# KiCad board PMK_Keyboard_02.kicad_pro.kicad_pcb (continued)
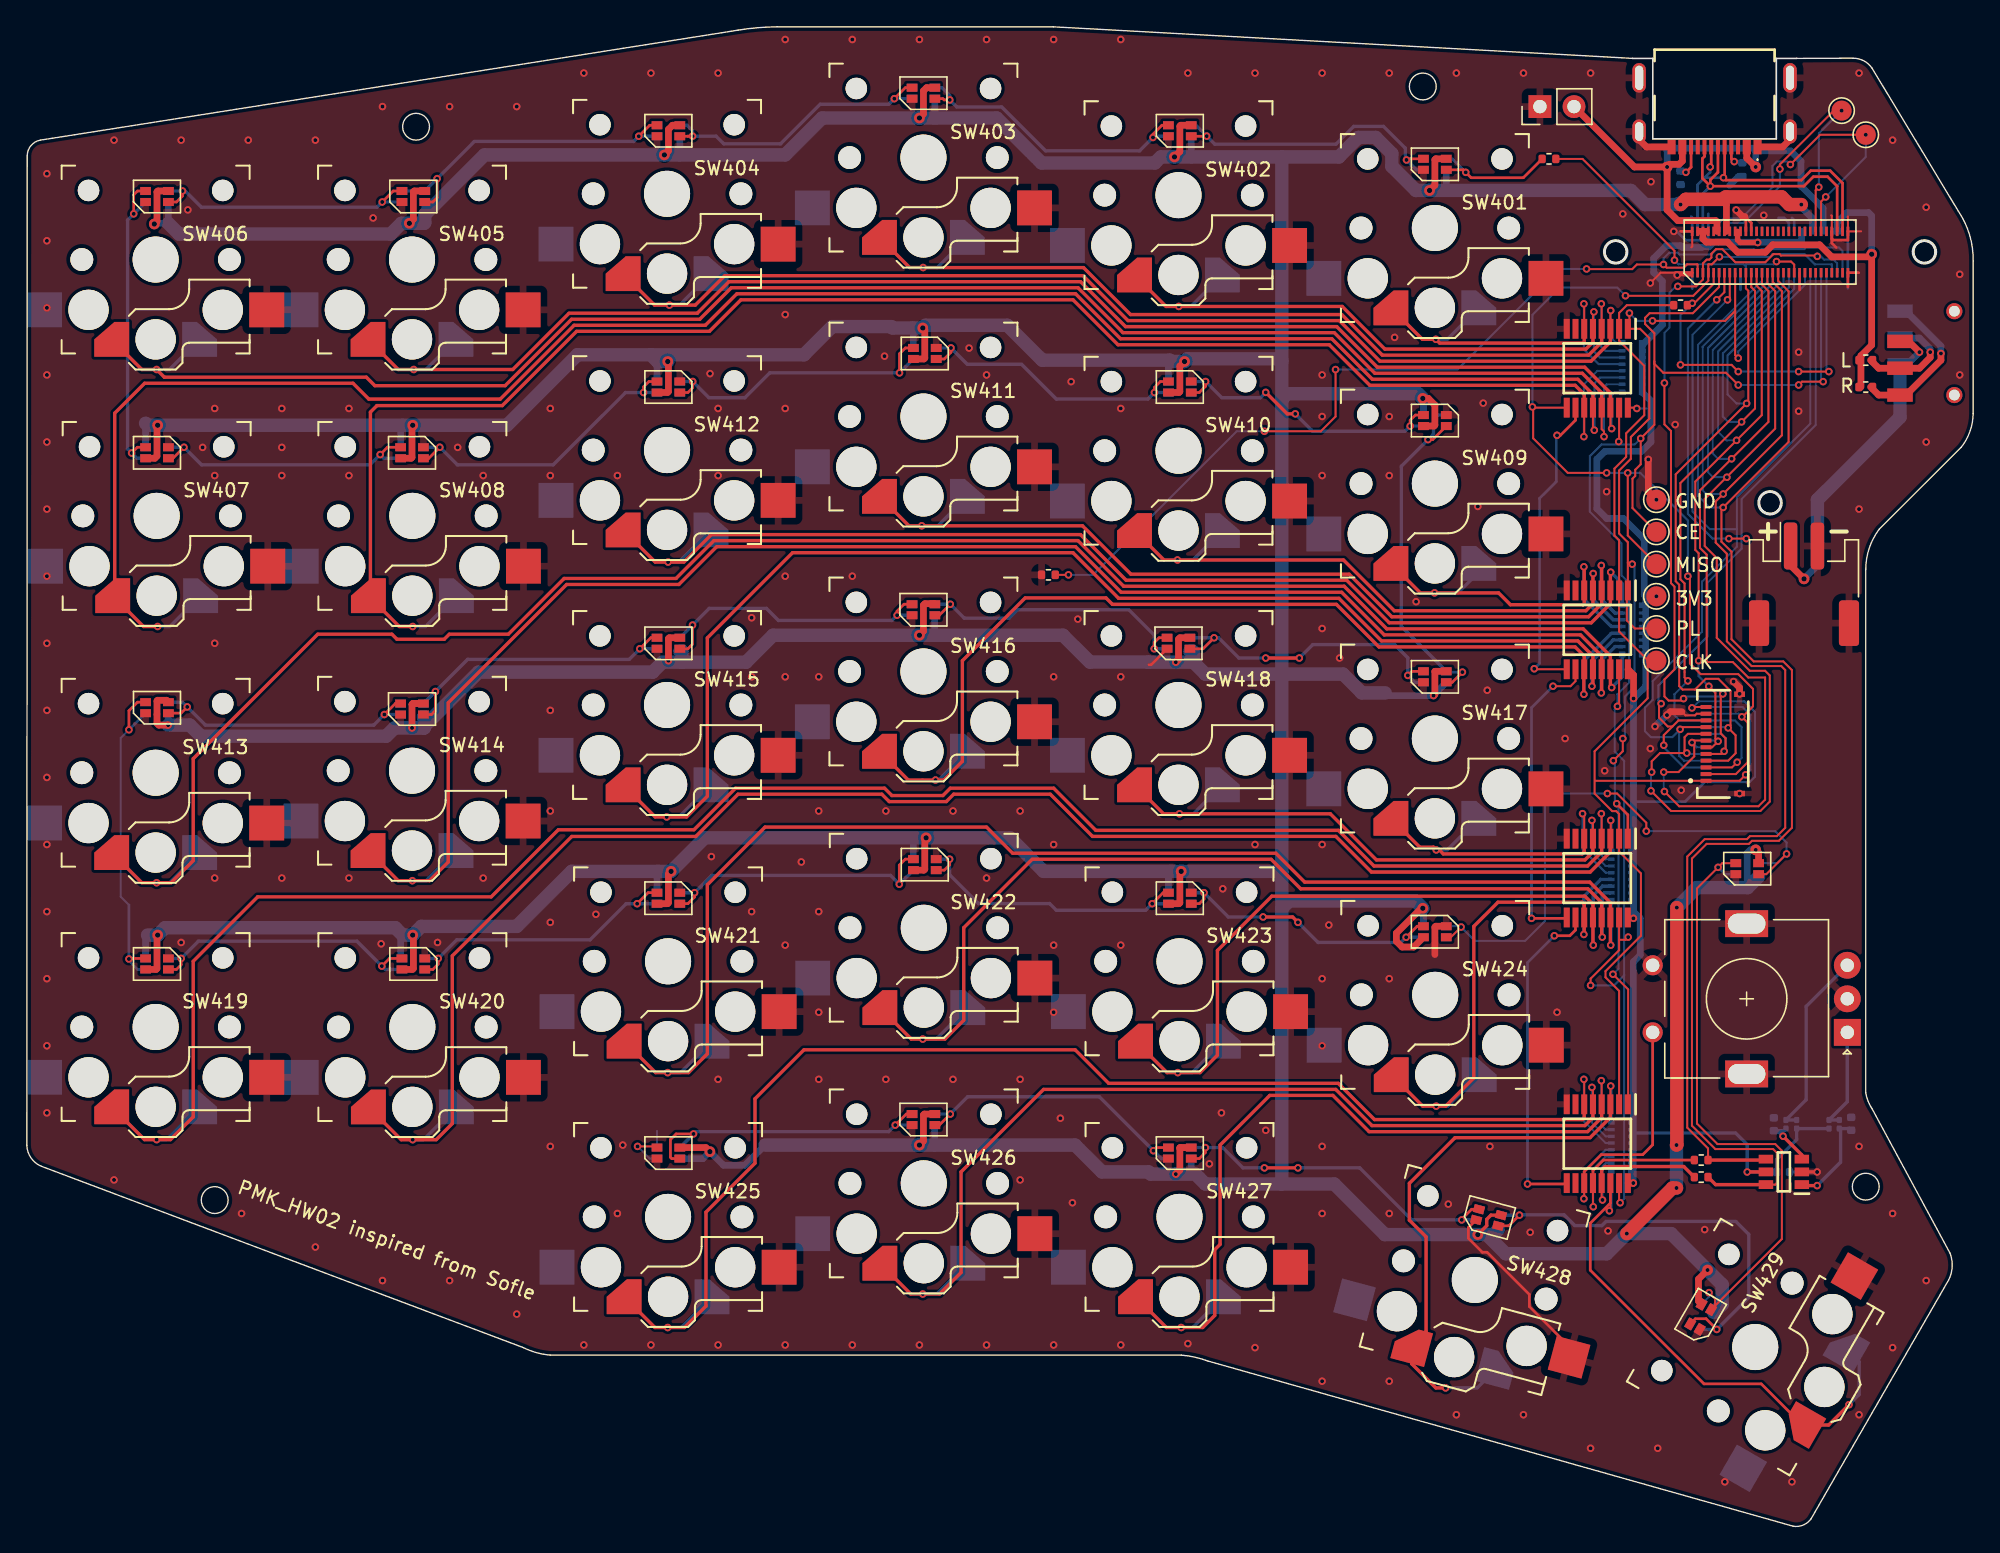
[diagram p0: board, top side]
## Nets
+3V3: C403.1 J201.18 J201.20 J202.18 J202.20 J304.12 J305.12 R401.2 R403.2 RN401.1 RN401.2 RN401.3 RN401.4 RN401.5 RN401.6 RN401.7 RN401.8 RN402.1 RN402.2 RN402.3 RN402.4 RN402.5 RN402.6 RN402.7 RN402.8 RN403.1 RN403.2 RN403.3 RN403.4 RN403.5 RN403.6 RN403.7 RN403.8 RN404.1 RN404.2 RN404.3 RN404.4 RN404.5 RN404.6 RN404.7 RN404.8 TP201.1 U401.16 U402.16 U403.16 U404.16 U405.5
/VBAT: J201.4 J201.6 J201.8 J202.4 J202.6 J202.8 R305.2 R306.2
GND: C401.2 C402.2 C403.2 D501.1 D502.1 D503.1 D504.1 D505.1 D506.1 D507.1 D508.1 D509.1 D510.1 D511.1 D512.1 D513.1 D514.1 D515.1 D516.1 D517.1 D518.1 D519.1 D520.1 D521.1 D522.1 D523.1 D524.1 D525.1 D526.1 D527.1 D528.1 D529.1 D530.1 J201.1 J201.2 J201.22 J201.24 J201.41 J201.54 J201.59 J201.60 J202.1 J202.2 J202.22 J202.24 J202.41 J202.54 J202.59 J202.60 J301.A1 J301.A12 J301.MH1 J301.MH2 J301.MH3 J301.MH4 J302.1 J303.2 J303.MP J304.11 J304.S1 J304.S2 J305.11 J305.S1 J305.S2 R303.2 R304.2 SW401.2 SW402.2 SW403.2 SW404.2 SW405.2 SW406.2 SW407.2 SW408.2 SW409.2 SW410.2 SW411.2 SW412.2 SW413.2 SW414.2 SW415.2 SW416.2 SW417.2 SW418.2 SW419.2 SW420.2 SW421.2 SW422.2 SW423.2 SW424.2 SW425.2 SW426.2 SW427.2 SW428.2 SW429.2 SW430.C SW430.MP SW430.S1 TH201.2 TH202.2 TP208.1 U401.8 U402.8 U403.8 U404.8 U405.2
VBUS: J201.10 J201.12 J202.10 J202.12 J301.A4 J301.A9 J302.2
VDD: D501.2 D502.2 D503.2 D504.2 D505.2 D506.2 D507.2 D508.2 D509.2 D510.2 D511.2 D512.2 D513.2 D514.2 D515.2 D516.2 D517.2 D518.2 D519.2 D520.2 D521.2 D522.2 D523.2 D524.2 D525.2 D526.2 D527.2 D528.2 D529.2 D530.2 J201.14 J201.16 J202.14 J202.16
/200- PSoM/BATTERY_TEMP: J201.3 J202.3 TH201.1 TH202.1
/200- PSoM/D+: J201.56 J202.56 J301.A6 J301.B6
/200- PSoM/D-: J201.58 J202.58 J301.A7 J301.B7
/200- PSoM/DB_A: J201.33 J202.33 R405.1 U405.6
/200- PSoM/DB_B: J201.31 J202.31 R406.1 U405.4
/200- PSoM/DR: J201.21 J202.21 J304.4 J305.4
/200- PSoM/GP_CE: J201.23 J202.23 J304.3 J305.3
/200- PSoM/GPIO1: J201.25 J202.25 J304.6 J305.6
/200- PSoM/GPIO2: J201.27 J202.27 J304.7 J305.7
/200- PSoM/GPIO3: J201.29 J202.29 J304.8 J305.8
/200- PSoM/LED_MOSI: D501.3 R201.2
/200- PSoM/LED_MOSI_ESP: J201.39 J202.39 R201.1
/200- PSoM/PL: J201.17 J202.17 TP202.1 U401.1 U402.1 U403.1 U404.1
/200- PSoM/RX: J201.48 J202.48 TP206.1
/200- PSoM/SCL: J201.15 J202.15 J304.9 J305.9
/200- PSoM/SDA: J201.13 J202.13 J304.10 J305.10
/200- PSoM/SPI_CLK: J304.1 J305.1 R202.2 TP204.1 U401.2 U402.2 U403.2 U404.2
/200- PSoM/SPI_CLK_ESP: J201.9 J202.9 R202.1
/200- PSoM/SPI_MISO: J201.7 J202.7 J304.2 J305.2 TP205.1 U401.9
/200- PSoM/SPI_MOSI: J201.5 J202.5 J304.5 J305.5
/200- PSoM/SR_CE: J201.11 J202.11 TP203.1 U401.15 U402.15 U403.15 U404.15
/200- PSoM/TX: J201.50 J202.50 TP207.1
/300- Connectors/CC1: J301.A5 R304.1
/300- Connectors/CC2: J301.B5 R303.1
/400- Shift Register - Switch/1: RN401.13 SW401.1 U401.6
/400- Shift Register - Switch/1-2: U401.10 U402.9
/400- Shift Register - Switch/2: RN401.14 SW402.1 U401.5
/400- Shift Register - Switch/2-3: U402.10 U403.9
/400- Shift Register - Switch/3: RN401.15 SW403.1 U401.4
/400- Shift Register - Switch/3-4: U403.10 U404.9
/400- Shift Register - Switch/4: RN401.16 SW404.1 U401.3
/400- Shift Register - Switch/5: RN401.9 SW405.1 U401.14
/400- Shift Register - Switch/6: RN401.10 SW406.1 U401.13
/400- Shift Register - Switch/7: RN401.11 SW407.1 U401.12
/400- Shift Register - Switch/8: RN401.12 SW408.1 U401.11
/400- Shift Register - Switch/9: RN402.13 SW409.1 U402.6
/400- Shift Register - Switch/10: RN402.14 SW410.1 U402.5
/400- Shift Register - Switch/11: RN402.15 SW411.1 U402.4
/400- Shift Register - Switch/12: RN402.16 SW412.1 U402.3
/400- Shift Register - Switch/13: RN402.9 SW413.1 U402.14
/400- Shift Register - Switch/14: RN402.10 SW414.1 U402.13
/400- Shift Register - Switch/15: RN402.11 SW415.1 U402.12
/400- Shift Register - Switch/16: RN402.12 SW416.1 U402.11
/400- Shift Register - Switch/17: RN403.13 SW417.1 U403.6
/400- Shift Register - Switch/18: RN403.14 SW418.1 U403.5
/400- Shift Register - Switch/19: RN403.15 SW419.1 U403.4
/400- Shift Register - Switch/20: RN403.16 SW420.1 U403.3
/400- Shift Register - Switch/21: RN403.9 SW421.1 U403.14
/400- Shift Register - Switch/22: RN403.10 SW422.1 U403.13
/400- Shift Register - Switch/23: RN403.11 SW423.1 U403.12
/400- Shift Register - Switch/24: RN403.12 SW424.1 U403.11
/400- Shift Register - Switch/25: RN404.13 SW425.1 U404.6
/400- Shift Register - Switch/26: RN404.14 SW426.1 U404.5
/400- Shift Register - Switch/27: RN404.15 SW427.1 U404.4
/400- Shift Register - Switch/28: RN404.16 SW428.1 U404.3
/400- Shift Register - Switch/29: RN404.9 SW429.1 U404.14
/400- Shift Register - Switch/30: R405.2 RN404.10 U404.13
/400- Shift Register - Switch/31: R406.2 RN404.11 U404.12
/400- Shift Register - Switch/32: RN404.12 SW430.S2 U404.11
/400- Shift Register - Switch/A: R401.1 R402.2 SW430.A
/400- Shift Register - Switch/B: R403.1 R404.2 SW430.B
/400- Shift Register - Switch/F_A: C401.1 R402.1 U405.1
/400- Shift Register - Switch/F_B: C402.1 R404.1 U405.3
/500- LEDs/LED_13_14: D513.4 D514.3
/500- LEDs/LED_26_27: D526.4 D527.3
Net-(D501-DO): D501.4 D502.3
Net-(D502-DO): D502.4 D503.3
Net-(D503-DO): D503.4 D504.3
Net-(D504-DO): D504.4 D505.3
Net-(D505-DO): D505.4 D506.3
Net-(D506-DO): D506.4 D507.3
Net-(D507-DO): D507.4 D508.3
Net-(D508-DO): D508.4 D509.3
Net-(D509-DO): D509.4 D510.3
Net-(D510-DO): D510.4 D511.3
Net-(D511-DO): D511.4 D512.3
Net-(D512-DO): D512.4 D513.3
Net-(D514-DO): D514.4 D515.3
Net-(D515-DO): D515.4 D516.3
Net-(D516-DO): D516.4 D517.3
Net-(D517-DO): D517.4 D518.3
Net-(D518-DO): D518.4 D519.3
Net-(D519-DO): D519.4 D520.3
Net-(D520-DO): D520.4 D521.3
Net-(D521-DO): D521.4 D522.3
Net-(D522-DO): D522.4 D523.3
Net-(D523-DO): D523.4 D524.3
Net-(D524-DO): D524.4 D530.3
Net-(D525-DIN): D525.3 D530.4
Net-(D525-DO): D525.4 D526.3
Net-(D527-DO): D527.4 D528.3
Net-(D528-DO): D528.4 D529.3
Net-(J303-Pin_1): J303.1 SW301.3
Net-(SW301-A): R305.1 SW301.1
Net-(SW301-C): R306.1 SW301.2

Pads without a net: D529 4; J201 19 26 28 30 32 34 35 36 37 38 40 42 43 44 45 46 47 49 51 52 53 55 57; J202 19 26 28 30 32 34 35 36 37 38 40 42 43 44 45 46 47 49 51 52 53 55 57; J301 A8 B8; SW301 MH; U401 7; U402 7; U403 7; U404 7 10

## Via types
v1: diameter 0.56, hole 0.3, Top to Bottom, 438 vias
v2: diameter 0.8, hole 0.4, Top to Bottom, 24 vias
v3: diameter 0.8, hole 0.3, Top to Bottom, 9 vias

## Routing (per net, layer and track width the routed paths; a pad name or vN(x,y) marks a point on that pad's centre or on a via; arc(x,y) is an arc through that point)
+3V3: length 142
  Top w0.15: U401.16 119.88,83.37 v1(119.94,83.3) ; J304.12 124.11,61.05 v1(124.04,60.99)
  Top w0.2: U403.16 119.63,45.37 v1(119.69,45.3)
  Top w0.25: v1(128.16,26.4) 128.17,26.4 U405.5
  Top w0.4: 127.44,96.5 127.44,95.87 127.64,95.67 v1(128.94,95.67)
  Top w0.5: 119.29,63.87 119.29,63.84 119.69,63.44 v1(119.69,61.69) ; 119.29,25.57 119.67,25.57 v1(119.68,25.58)
  Bottom w0.15: 120.39,87.6 RN401.2 ; J305.12 125.2,55.45 128.34,55.45 128.74,55.85 128.74,60.68 127.94,61.48 124.57,61.48 124.08,60.99 v1(124.04,60.99) ; v1(119.94,83.3) 120.99,83.3
  Bottom w0.2: J305.12 123.54,54 119.69,54
  Bottom w0.25: RN404.8 RN404.3 119.79,29.3 127.29,29.3 128.16,28.44 v1(128.16,26.4) C403.1 130.35,27.32 131.85,28.81 R403.2 R401.2
  Bottom w0.4: 125.8,95.7 125.73,95.7 125.33,95.3 124.79,95.3
  Bottom w0.5: 128.94,95.7 v1(128.94,95.67) ; 128.94,95.7 132.21,95.7 132.21,96.5 ; 128.94,95.7 125.8,95.7 ; 124.79,95.3 123.34,95.3 123.21,95.44 122.13,95.44 121.19,94.5 121.19,93.44 121.84,92.79 121.84,89.53 120.34,88.04 RN401.2 RN401.8 120.99,83.87 120.99,80.8 120.29,80.1 117.54,80.1 116.96,79.52 116.96,75.84 117.69,75.1 118.94,75.1 120.49,73.55 120.49,69.4 120.59,69.3 ; 119.69,45.8 120.19,45.3 120.19,42.58 119.68,42.06 v1(119.68,25.58) ; 119.69,45.8 119.69,45.3 v1(119.69,45.3) ; 119.69,45.8 v1(119.69,61.69) 120.59,62.59 120.59,69.3 ; 120.59,69.3 v1(121.39,69.3)
/VBAT: length 32
  Top w0.5: 124.61,96.51 125.11,96.51 ; 136.63,84.9 136.63,87.23 137.43,88.03 v2(137.43,94.8) 137.23,94.6 134.46,94.6 133.56,95.5 130.07,95.5 129.51,94.94 127.46,94.94 126.7,95.7 125.11,95.7 124.86,95.95 J201.6
  Bottom w0.5: v2(137.43,94.8) 137.43,97.66 137.19,97.9 135.59,97.9 134.86,97.17 134.86,96.51 ; 134.86,96.51 135.11,96.51 ; 134.86,96.51 134.61,96.51
GND: length 80.9
  Top w0.15: J304.11 124.4,60.55 124.27,60.43 123.57,60.43 123.29,60.7 ; J201.1 121.71,93.42 v1(120.94,92.65) ; 135.66,97.62 J201.60 136.64,96.5 ; 134.42,97.7 134.46,97.66 J201.54 ; J201.2 124.06,95.37 123.99,95.3
  Top w0.2: D514.1 83.75,64.2 83.59,64.2 ; 128.46,96.51 128.46,97.14 127.99,97.6 128.06,97.54 128.06,96.51 ; 134.79,95.3 134.46,95.63 J201.54 134.46,95.95 134.56,95.85 135.66,95.85 J201.60 ; SW428.2 114.89,13.41 111.93,16.37 111.93,17.27 108.79,20.41 108.43,20.41 107.39,21.45 107.39,22.25 D526.1 ; J201.1 123.89,93.25 v1(122.94,93.25) ; 135.66,92.37 135.66,93.43 136.47,93.43 ; 124.06,93.43 122.82,93.43 ; 124.06,96.51 123.2,96.51 ; 132.06,93.43 132.06,92.14
  Top w0.25: U405.2 133.36,26.4 v1(133.37,26.4)
  Top w0.5: 127.99,97.6 127.83,97.6 v1(127.34,98.09) ; J304.S2 127.59,62.5 v1(127.14,62.95) ; 123.29,60.7 122.43,60.7 v1(122.18,60.45) ; J301.MH1 131.35,103.35 130.8,102.8 J301.A1 ; v1(121.39,76.5) 120.79,77.1 v1(120.79,79.5) ; 104.89,42.6 104.89,44.64 104.96,44.71 D524.1 ; J301.MH4 120.11,103.35 120.66,102.8 J301.A12
  Bottom w0.15: D529.1 46.94,29.45
  Bottom w0.2: 130.49,97.5 130.91,97.5 131.26,97.16 131.26,96.51 ; J202.54 125.26,95.95 125.17,95.85 123.57,95.85 122.92,96.5 v1(122.69,96.5) ; 135.66,93.43 135.66,92.27 ; 135.66,93.43 135.66,96.51 ; 135.66,93.43 136.37,93.43 ; v1(122.94,93.25) 123.12,93.42 J201.1 124.06,92.23 ; 125.26,96.51 125.26,97.8 ; 127.66,93.43 127.66,92.14 ; 131.66,96.51 131.66,97.34 131.49,97.5 ; 123.99,97.6 124.06,97.54 124.06,96.51 123.3,96.51 ; 124.06,93.43 124.06,93.37
  Bottom w0.25: 28.79,98.3 28.79,99.31 28.59,99.51 D505.1 ; C403.2 v1(133.37,26.4)
  Bottom w0.5: R304.2 127.52,100.59 126.86,99.94 ; v1(122.18,60.45) 121.64,59.91 121.6,59.91 v1(121.29,59.6)
  vias: v1(1.49,100.8) v1(1.49,95.8) v1(1.49,90.8) v1(1.49,85.8) v1(1.49,80.8) v1(1.49,75.8) v1(1.49,70.8) v1(1.49,65.8) v1(1.49,60.8) v1(1.49,55.8) v1(1.49,50.8) v1(1.49,45.8) v1(1.49,40.8) v1(1.49,35.8) v1(1.49,30.8) v1(6.49,103.3) v1(6.49,25.8) v1(11.49,103.3) v1(11.49,43.5) v1(11.99,98.1) v1(13.09,80.4) v1(13.99,83.3) v1(13.99,78.3) v1(13.99,65.8) v1(13.99,48.3) v1(15.99,23.3) v1(16.49,103.3) v1(18.99,83.3) v1(18.99,80.4) v1(18.99,78.3) v1(18.99,48.3) v1(21.49,103.3) v1(21.49,20.8) v1(23.99,83.3) v1(23.99,78.3) v1(23.99,48.3) v1(25.79,97.5) v1(26.39,43.4) v1(26.49,105.8) v1(26.49,18.3) v1(30.59,43.5) v1(31.49,105.8) v1(31.49,18.3) v1(32.09,80.4) v1(33.99,78.3) v1(33.99,48.3) v1(36.49,105.8) v1(36.49,15.8) v1(38.99,83.3) v1(38.99,78.3) v1(38.99,60.8) v1(38.99,53.3) v1(38.99,45) v1(38.99,28.3) v1(41.49,108.3) v1(41.49,13.5) v1(42.39,45.6) v1(43.99,78.3) v1(43.99,23.3) v1(44.39,28.4) v1(46.49,108.3) v1(46.49,13.5) v1(50.89,85.9) v1(50.99,49.9) v1(51.49,108.3) v1(51.49,83.3) v1(51.49,78.3) v1(51.49,33.3) v1(51.49,13.5) v1(53.99,67.7) v1(53.99,63.3) v1(53.99,45.8) v1(56.49,110.8) v1(56.49,90.3) v1(56.49,83.3) v1(56.49,70.8) v1(56.49,63.3) v1(56.49,43.3) v1(56.49,13.5) v1(57.69,49.5) v1(58.99,63.3) v1(58.99,53.3) v1(58.99,45.8) v1(58.99,38.3) v1(58.99,33.3) v1(61.49,110.8) v1(61.49,70.8) v1(61.49,13.5) v1(63.89,87.2) v1(63.99,53.3) v1(63.99,33.3) v1(66.49,110.8) v1(66.49,13.5) v1(68.99,53.3) v1(68.99,33.3) v1(70.19,87.8) v1(71.49,110.8) v1(71.49,85.8) v1(71.49,48.3) v1(71.49,13.5) v1(73.99,53.3) v1(73.99,33.3) v1(73.99,25.8) v1(76.49,110.8) v1(76.49,63.3) v1(76.49,50.8) v1(76.49,43.3) v1(76.49,38.3) v1(76.49,13.5) v1(76.99,30.4) v1(77.79,85.3) v1(77.89,24.1) v1(78.29,67.6) v1(81.49,110.8) v1(81.49,83.3) v1(81.49,63.3) v1(81.49,43.3) v1(81.49,13.5) v1(86.49,108.3) v1(86.49,13.6) v1(88.09,27) v1(88.99,30.8) v1(89.09,47.5) v1(91.49,108.3) v1(91.49,50.8) v1(91.49,13.3) v1(92.29,29.5) v1(96.49,108.3) v1(96.49,85.8) v1(96.49,82.7) v1(96.49,78.3) v1(96.49,66.9) v1(96.49,50.8) v1(96.49,40.8) v1(96.49,35.8) v1(96.49,28.3) v1(96.49,23.3) v1(96.49,10.8) v1(96.99,44.8) v1(97.79,64.7) v1(101.49,108.3) v1(101.49,82.7) v1(101.49,78.3) v1(101.49,40.8) v1(101.49,23.3) v1(101.49,10.8) v1(101.89,88.6) v1(103.49,68.9) v1(105.89,24) v1(106.49,108.3) v1(106.49,8.3) v1(108.09,76) v1(108.49,83.7) v1(108.79,62.3) v1(108.99,28.3) v1(111.49,108.3) v1(111.49,8.3) v1(111.99,21.9) v1(113.99,38.3) v1(114.59,58.7) v1(116.49,108.3) v1(116.49,5.8) v1(117.54,56.3) v1(117.69,77.1) v1(117.79,22) v1(118.89,97.8) v1(120.94,57.95) v1(120.99,100.2) v1(121.49,5.8) v1(122.79,82.1) v1(123.24,54.85) v1(124.99,22.1) v1(126.49,3.3) v1(127.59,62.03) v1(127.59,54.6) v1(129.39,97.7) v1(131.49,3.3) v1(131.99,87.5) v1(131.99,83.1) v1(136.49,108.3) v1(136.49,75.8) v1(136.49,28.3) v1(136.49,8.3) v1(138.99,103.3) v1(138.99,23.3) v1(138.99,13.3) v1(141.49,98.3) v1(141.49,80.8) v1(141.49,18.3) v1(143.99,93.3) v1(143.99,85.8)
VBUS: length 39.7
  Top w0.5: v3(122.19,101.3) 122.39,101.5 123.09,101.5 123.33,101.75 J301.A9 ; v3(122.19,101.3) 119.76,101.3 J302.2 ; v3(122.19,101.3) 122.19,98.1 122.99,97.31 125.81,97.31 125.91,97.21 125.91,96.5 ; v3(128.79,101.3) 128.13,101.97 J301.A4
  Bottom w0.5: 133.81,96.5 133.81,98.24 132.17,99.88 132.17,101.73 131.39,102.5 128.79,102.5 ; 128.79,102.5 v3(128.79,101.3) ; 128.79,102.5 128.59,102.7 122.39,102.7 122.19,102.5 v3(122.19,101.3)
VDD: length 772.2
  Top w0.25: v2(108.09,21.74) 108.76,22.4 108.76,22.87 109.07,23.18 D526.2
  Top w0.5: 126.61,96.5 126.61,98.49 126.59,98.5 ; v2(50.88,27.91) 50.58,28.21 D529.2 ; v1(10.52,59.7) 9.83,59.7 9.69,59.84 9.69,61.5 9.74,61.55 10.4,61.55 D518.2 ; v2(47.99,48.8) 47.79,48.6 47.79,46.46 47.72,46.39 D521.2 ; D513.2 104.9,63.71 104.89,63.7 104.89,62 v1(104.79,61.9) ; v2(47.74,86.8) 47.79,86.75 47.79,84.56 47.72,84.49 D509.2 ; 28.69,61.25 28.75,61.31 D517.2 28.76,61.31 28.69,61.24 v1(28.69,59.49) ; D525.2 124.54,16.78 124.54,18.42 v3(125.21,19.09) ; D502.2 85.96,104.41 85.89,104.34 85.89,102.45 v2(85.49,102.05) ; v1(85.59,64.39) 85.79,64.59 85.79,66.1 85.9,66.21 D514.2 ; 85.89,28.2 85.9,28.21 D527.2 85.96,28.21 85.89,28.14 85.89,26.54 v1(85.59,26.24) ; D528.2 66.86,30.71 66.79,30.64 66.79,28.7 v2(66.49,28.4) ; v2(28.49,97.1) 28.79,97.4 28.79,99.44 28.86,99.51 D505.2 ; v2(85.99,48.8) 85.89,48.7 85.89,46.46 85.82,46.39 D523.2 ; D519.2 9.62,41.49 9.69,41.56 9.69,44 v2(9.74,44.05) ; D508.2 28.62,79.59 28.69,79.66 28.69,82 v2(28.74,82.05) ; D512.2 104.82,81.99 104.89,82.06 104.89,83.56 104.4,84.05 v2(103.99,84.05) ; v2(66.49,66.4) 66.79,66.7 66.79,68.64 66.9,68.75 67.6,68.75 D515.2 ; v2(66.49,104.95) 66.79,105.25 66.79,106.98 67.03,107.21 D503.2 ; v2(66.99,51.3) 66.89,51.2 66.89,48.96 66.82,48.89 D522.2 ; D504.2 48.1,104.41 47.79,104.1 47.79,102.5 v2(47.49,102.2) ; v2(9.49,97.05) 9.69,97.25 9.69,99.44 9.76,99.51 D506.2 ; D501.2 104.96,101.91 104.89,101.84 104.89,99.95 v2(104.49,99.55) ; D511.2 85.82,84.49 85.89,84.56 85.89,86.45 v2(86.24,86.8) ; v1(47.79,64.5) 47.79,66.14 47.86,66.21 D516.2 ; D524.2 103.31,43.16 102.45,43.16 102.02,43.59 102.02,44.2 103.88,46.05 v2(103.99,46.05) ; D530.2 129.01,50.19 v3(128.79,50.4) ; D520.2 28.72,41.49 28.79,41.56 28.79,44 v2(28.74,44.05) ; v2(66.74,89.3) 66.89,89.15 66.89,87.06 66.82,86.99 D510.2 ; D507.2 9.53,79.59 9.69,79.75 9.69,82 v2(9.74,82.05)
  Top w1: v3(132.19,98.5) 131.29,98.5 130.73,99.07 126.56,99.07 126.41,98.92 126.41,98.89 123.58,98.89 v3(123.19,98.5) ; v3(122.89,25.2) 122.59,25.2 v1(119.19,21.8) ; v3(122.92,46.1) 122.92,28.43 v3(122.89,28.4)
  Bottom w0.5: v1(10.52,59.7) 10.52,60.57 D518.2 ; 8.84,42.41 8.84,44.2 ; 27.99,44.05 27.84,43.9 27.84,42.41 ; 46.99,48.8 46.94,48.75 46.94,47.31 ; 67.62,66.4 67.62,67.87 D515.2 ; 87.06,26.24 86.74,26.55 D527.2 ; D506.2 10.54,97.1 9.54,97.1 v2(9.49,97.05) ; 104.04,44.81 104.04,46 v2(103.99,46.05) ; 133.01,96.5 133.01,97.49 132.19,98.3 v3(132.19,98.5) ; D508.2 27.84,81.9 27.99,82.05 ; D501.2 105.74,99.55 ; D503.2 67.64,104.95 ; 128.19,47.59 128.16,47.62 128.16,50.16 128.4,50.4 v3(128.79,50.4) ; D511.2 85.04,86.6 85.24,86.8 ; 85.04,47.31 85.04,48.6 85.24,48.8 ; 65.99,51.3 66.04,51.25 66.04,49.81 ; D512.2 104.04,84 v2(103.99,84.05) ; D513.2 104.79,61.94 v1(104.79,61.9) 101.39,61.9 101.19,62.1 ; D502.2 86.74,102.05 ; 46.99,86.8 46.94,86.75 D509.2 ; 67.62,29.84 67.62,28.4 ; D505.2 29.64,97.15 ; 29.62,60.41 D517.2 ; D507.2 8.84,82.2 ; D529.2 50.36,27.39 v2(50.88,27.91) 51.9,26.9 53.49,26.9 54.99,28.4 ; 65.99,89.3 66.04,89.25 D510.2 ; 48.62,65.37 D516.2 ; D504.2 48.64,102.2
  Bottom w1: 48.79,64.39 53.58,64.39 55.59,66.4 v2(66.49,66.4) 77.19,66.4 79.19,64.4 83.56,64.4 83.57,64.39 v1(85.59,64.39) 86.9,64.39 ; 48.79,64.39 47.36,64.39 46.62,63.65 33.64,63.65 29.59,59.6 29.59,59.49 ; 48.79,64.39 48.79,65.21 48.64,65.21 ; 8.99,44.05 v2(9.74,44.05) 10.29,44.6 27.44,44.6 27.99,44.05 v2(28.74,44.05) 29.39,44.7 36.49,44.7 40.59,48.8 v2(47.99,48.8) 50.49,51.3 v2(66.99,51.3) 73.24,51.3 75.74,48.8 v2(85.99,48.8) 93.44,48.8 ; 46.49,87.3 57.89,87.3 59.99,89.4 64.39,89.4 64.49,89.3 v2(66.74,89.3) 66.94,89.5 73.04,89.5 75.64,86.9 85.14,86.9 85.24,86.8 v2(86.24,86.8) 86.44,87 93.24,87 93.44,86.8 ; 46.49,87.3 41.02,87.3 35.77,82.05 v2(28.74,82.05) v2(9.74,82.05) 8.99,82.05 8.84,82.2 ; 46.49,87.3 46.99,86.8 v2(47.74,86.8) ; 108.74,21.74 109.26,21.74 109.61,22.09 ; 108.74,21.74 v2(108.09,21.74) 101.16,21.74 97.39,25.5 93.49,25.5 ; 108.74,21.74 110.18,20.3 117.69,20.3 v1(119.19,21.8) 122.49,21.8 v3(125.21,19.09) 126.29,18 126.29,16.53 125.69,15.92 ; v3(122.92,46.1) 124.41,47.59 128.19,47.59 129.01,48.41 ; 93.49,46.05 93.49,25.5 ; 93.49,46.05 94.04,46.6 103.44,46.6 v2(103.99,46.05) ; 93.49,46.05 93.49,102.05 ; 93.49,25.5 87.79,25.5 87.06,26.24 v1(85.59,26.24) 83.73,26.24 83.56,26.4 80.09,26.4 78.09,28.4 v2(66.49,28.4) 54.99,28.4 ; 93.49,102.05 97.74,102.05 99.19,103.5 100.49,103.5 101.69,102.3 101.69,101.35 103.48,99.55 v2(104.49,99.55) 119.49,99.55 120.54,98.5 v3(123.19,98.5) 123.09,98.6 ; 93.49,102.05 v2(85.49,102.05) 84.48,102.05 84.03,101.6 75.59,101.6 72.24,104.95 v2(66.49,104.95) 59.24,104.95 56.49,102.2 v2(47.49,102.2) 34.09,102.2 29.64,97.75 29.64,97.15 29.59,97.1 v2(28.49,97.1) 27.91,97.1 27.11,96.3 11.34,96.3 10.54,97.1 ; 29.59,59.49 29.59,60.31 29.54,60.31 ; 29.59,59.49 27.38,59.49 26.77,58.88 12.96,58.88 12.14,59.7 v1(10.52,59.7) ; 29.59,59.49 v1(28.69,59.49) ; v2(103.99,84.05) 103.64,84.4 93.89,84.4 93.54,84.05 ; 86.9,64.39 86.9,65.13 86.82,65.21 86.64,65.21 ; 86.9,64.39 87.79,63.5 98.05,63.5 99.45,62.1 101.19,62.1 ; v3(122.89,28.4) v3(122.89,25.2)
/200- PSoM/BATTERY_TEMP: length 77.3
  Top w0.15: J201.3 124.46,94.02 124.44,94.05 123.69,94.05 123.44,93.8 122.16,93.8 v1(121.92,94.04) 119.94,94.04 119.59,93.69 116.21,93.69 v1(116.19,93.7) ; v1(97.49,86.2) 97.49,82.7 96.39,81.6 v1(92.19,81.6) ; TH201.1 v1(77.59,70.9)
  Bottom w0.15: v1(92.19,81.6) 90.13,81.6 79.43,70.9 v1(77.59,70.9) TH202.1 ; v1(116.19,93.7) 114.07,93.7 106.57,86.2 v1(97.49,86.2) ; J202.3 135.26,95.03 134.99,95.3 132.56,95.3 132.43,95.18 129.23,95.18 129.17,95.12 128.71,95.12 128.67,95.16 125.86,95.16 125.48,94.78 123.12,94.78 122.99,94.91 122.34,94.91 121.92,94.49 v1(121.92,94.04)
/200- PSoM/D+: length 23.4
  Top w0.2: v1(125.42,99.87) 132.38,99.87 133.09,100.58 134.15,100.58 134.86,99.87 J201.56 ; v1(125.42,99.87) 125.42,100.35 125.98,100.91 J301.A6 ; v1(125.42,99.87) 124.82,100.47 124.82,101.93 124.98,102.09 J301.B6
  Bottom w0.2: v1(125.42,99.87) 124.86,99.32 124.86,96.51
/200- PSoM/D-: length 23.7
  Top w0.2: J201.58 135.26,100.1 134.34,101.03 132.9,101.03 132.19,100.32 126.58,100.32 v1(126.39,100.5) 126.48,100.59 J301.B7 ; v1(125.4,101.3) 125.48,101.38 J301.A7
  Bottom w0.2: 124.99,100.5 125.4,100.91 v1(125.4,101.3) ; 124.99,100.5 v1(126.39,100.5) ; 124.99,100.5 124.46,99.97 124.46,96.51
/200- PSoM/DB_A: length 111.2
  Top w0.15: U405.6 130.24,25.45 130.37,25.58 130.37,27.83 130.09,28.1 125.79,28.1 124.04,29.85 124.04,49.76 125.14,50.85 128.29,50.85 128.52,51.08 130.52,51.08 131.49,52.05 131.49,63.8 130.84,64.45 128.64,64.45 126.99,66.1 126.99,72.62 126.24,73.37 126.24,75.8 v1(126.37,75.93) 131.24,80.8 131.24,92.04 130.46,92.82 J201.33
  Top w0.25: U405.6 125.81,25.45 R405.1
  Bottom w0.15: J202.33 129.26,92.82 124.49,88.05 124.49,76.8 125.37,75.93 v1(126.37,75.93)
/200- PSoM/DB_B: length 102.8
  Top w0.15: R406.1 125.24,28.15 123.69,29.7 123.69,49.9 124.99,51.2 128.15,51.2 128.37,51.43 130.37,51.43 130.99,52.05 130.99,63.81 130.7,64.1 128.49,64.1 126.64,65.95 126.64,72.48 125.81,73.31 125.81,76.37 v1(126.37,76.93) 130.74,81.3 130.74,92.05 130.06,92.73 J201.31
  Top w0.25: R406.1 129.49,27.29 U405.4
  Bottom w0.15: J202.31 129.66,92.73 124.84,87.91 124.84,77.2 125.12,76.93 v1(126.37,76.93)
/200- PSoM/DR: length 59.8
  Top w0.15: J201.21 128.06,92.26 128.24,92.08 128.24,83.8 v1(128.12,83.68) 122.83,78.39 122.83,70.43 123.09,70.17 123.09,62.61 123.35,62.35 124.27,62.35 125.07,63.15 126.01,63.15 126.92,62.25 126.92,59.67 v1(126.74,59.5) 127.3,58.94 127.3,57.61 126.74,57.05 J304.4
  Bottom w0.15: v1(126.74,59.5) 126.69,59.55 J305.4 ; v1(128.12,83.68) 127.37,83.68 126.69,84.35 126.69,87.25 131.66,92.22 J202.21
/200- PSoM/GP_CE: length 61
  Top w0.15: J304.3 127.03,56.55 v1(127.41,56.94) ; J201.23 128.46,92.35 128.74,92.07 128.74,83.3 v1(127.74,82.3) 123.18,77.74 123.18,70.57 123.49,70.26 123.49,63.25 v1(123.74,63)
  Bottom w0.15: v1(127.74,82.3) 126.74,82.3 126.34,82.7 126.34,87.4 131.26,92.32 J202.23 ; v1(127.41,56.94) 127.74,57.27 127.74,59.55 127.24,60.05 J305.3 123.13,60.05 122.74,60.45 122.74,62 v1(123.74,63)
/200- PSoM/GPIO1: length 55.4
  Top w0.15: J304.6 125.55,58.05 v1(125.99,58.5) 125.79,58.7 125.79,62.11 v1(125.3,62.6) ; J201.25 128.86,92.44 129.24,92.06 129.24,82.8 v1(127.37,80.93) 124.29,77.85 124.29,72.76 124.54,72.51 v1(124.54,64.5)
  Bottom w0.15: v1(125.99,58.5) 125.94,58.55 J305.6 ; J202.25 130.86,92.42 125.99,87.55 125.99,81.55 126.62,80.93 v1(127.37,80.93) ; v1(125.3,62.6) 124.54,63.36 v1(124.54,64.5)
/200- PSoM/GPIO2: length 78.3
  Top w0.15: v1(121.94,56.2) 123.04,56.2 124.22,57.38 124.22,58.24 v1(124.05,58.4) 124.2,58.55 J304.7 ; v1(121.99,54.75) 123.09,53.65 129,53.65 129.49,54.15 129.49,63.25 128.24,63.25 127.09,64.4 125.14,64.4 125.14,72.41 124.64,72.91 124.64,77.2 129.74,82.3 129.74,92.06 129.26,92.54 J201.27
  Bottom w0.15: v1(121.99,54.75) 121.94,54.8 v1(121.94,56.2) ; J305.7 124.4,58.05 v1(124.05,58.4) ; v1(127,79.55) 125.99,79.55 125.59,79.95 125.59,87.67 130.46,92.54 J202.27
/200- PSoM/GPIO3: length 82.2
  Top w0.15: v1(121.04,56.2) 121.04,57 121.66,57.62 v1(123.66,57.62) 123.49,57.79 123.49,58.8 123.74,59.05 J304.8 ; J201.29 129.66,92.63 130.24,92.05 130.24,81.8 124.99,76.55 124.99,73.05 125.89,72.15 125.89,66.21 128.35,63.75 129.49,63.75 129.84,63.4 129.84,54 129.14,53.3 122.49,53.3 v1(120.99,54.8)
  Bottom w0.15: J202.29 130.06,92.63 125.24,87.81 125.24,78.55 125.62,78.18 v1(126.65,78.18) ; v1(123.66,57.62) 123.73,57.55 J305.8 ; v1(121.04,56.2) 120.99,56.15 v1(120.99,54.8)
/200- PSoM/LED_MOSI: length 9.8
  Top w0.2: D501.3 107,101.09 v1(107.19,100.9) 107.59,100.5 111.48,100.5 R201.2
  Bottom w0.2: D501.3 106.18,101.91 v1(107.19,100.9)
/200- PSoM/LED_MOSI_ESP: length 23.3
  Top w0.15: v1(122.74,94.36) 122.74,95.05 115.89,101.9 R201.1 ; v1(130.34,94.25) 131.43,94.25 131.66,94.02 J201.39
  Bottom w0.15: v1(122.74,94.36) 123.05,94.05 127.88,94.05 128.06,93.87 J202.39 128.06,94.02 128.09,94.05 130.14,94.05 v1(130.34,94.25)
/200- PSoM/PL: length 96.5
  Top w0.15: 119.27,71.8 U402.1 119.19,69.67 119.19,67.5 119.79,66.9 TP202.1 ; 119.27,71.8 119.37,71.7 v1(119.59,71.7) ; 119.27,71.8 119.27,73.33 118.62,73.98 118.62,78.68 119.49,79.55 119.49,81.18 120.87,82.55 120.87,88.55 120.18,89.24 U401.1 119.39,89.36 v1(119.39,90.41) ; v1(118.16,41.14) 119.29,40 119.29,31.47 U404.1 ; 118.35,57.22 v1(118.19,57.05) 118.89,57.76 v1(118.89,58.7) ; J201.17 127.26,90.57 ; 127.26,90.57 127.26,87.28 v1(127.49,87.05) ; 127.26,90.57 126.52,89.83 v1(121.11,89.83)
  Top w0.2: U403.1 119.27,53.02 v1(118.44,53.85)
  Bottom w0.15: v1(118.16,41.14) 118.57,41.55 118.57,53.72 v1(118.44,53.85) 118.3,53.99 118.3,56.94 v1(118.19,57.05) ; v1(121.11,89.83) 119.96,89.83 v1(119.39,90.41) ; v1(119.59,71.7) 119.76,71.53 119.76,62.54 119.05,61.83 119.05,58.86 v1(118.89,58.7) ; J202.17 132.46,92.53 127.49,87.56 v1(127.49,87.05)
/200- PSoM/RX: length 23.5
  Top w0.15: J201.48 133.26,99.57 v1(133.49,99.8) ; v1(135.19,105.5) 134.61,105.5 130.59,101.49 v1(130.59,101.15)
  Bottom w0.15: v1(135.19,105.5) 133.49,103.8 v1(133.49,99.8) ; J202.48 126.46,97.02 126.57,97.13 127.87,97.13 130.59,99.85 v1(130.59,101.15)
/200- PSoM/SCL: length 71.3
  Top w0.15: v1(123.16,59.39) 123.33,59.55 J304.9 ; J201.15 126.86,91.57 v1(126.69,91.4)
  Bottom w0.15: 127.39,74.3 127.39,76.7 132.86,82.17 J202.15 ; 127.39,74.3 127.39,73 124.79,70.4 124.79,66.65 121.12,62.98 121.12,61.58 120.54,61 120.54,59.25 120.99,58.8 122.58,58.8 v1(123.16,59.39) 123.09,59.32 123.09,57.4 123.44,57.05 J305.9 ; 127.39,74.3 125.38,74.3 124.09,75.59 124.09,88.8 v1(126.69,91.4)
/200- PSoM/SDA: length 72.3
  Top w0.15: v1(121.75,61.3) 121.59,61.15 121.59,60.25 122.24,59.6 122.59,59.6 ; 122.59,59.6 123.04,60.05 J304.10 ; 122.59,59.6 121.94,58.95 v1(121.94,58.2) ; v1(128.09,73.6) v1(126.8,73.6) ; v1(125.89,91.4) 126.46,91.97 J201.13
  Bottom w0.15: J305.10 123.45,56.55 121.94,58.06 v1(121.94,58.2) ; v1(121.75,61.3) 121.54,61.51 121.54,62.65 125.19,66.3 125.19,70.3 127.74,72.85 127.74,73.6 ; v1(126.8,73.6) 125.59,73.6 123.74,75.45 123.74,89.25 v1(125.89,91.4) ; v1(128.09,73.6) 127.74,73.6 ; 127.74,73.6 127.74,76.55 133.26,82.07 J202.13
/200- PSoM/SPI_CLK: length 91
  Top w0.15: v1(128.05,56) 127.6,55.55 J304.1 116.84,55.55 ; U404.2 118.62,39.89 117.61,40.91 117.61,41.37 120.24,44.01 120.24,48.65 118.62,50.28 U403.2 118.62,53.08 118.4,53.29 118.1,53.29 116.79,54.6 116.79,57.75 120.74,61.7 120.74,64.55 118.62,66.68 U402.2 118.62,73.49 118.27,73.84 118.27,78.82 119.14,79.7 119.14,81.45 120.49,82.8 120.49,86.48 118.62,88.36 U401.2 118.62,90.43 119.19,91 R202.2
  Top w0.2: TP204.1 120.79,64.5 120.74,64.55
  Bottom w0.15: J305.1 127.81,61.05 128.39,60.47 128.39,56.35 v1(128.05,56)
/200- PSoM/SPI_CLK_ESP: length 27.5
  Top w0.15: v1(127.49,86.05) 126.99,86.55 v1(123.19,86.55) ; v1(131.99,86.05) v1(134.24,86.05) ; v1(124.07,91.15) 123.92,91 R202.1 124.07,91 125.66,92.59 J201.9
  Bottom w0.15: J202.9 134.06,86.23 v1(134.24,86.05) ; v1(124.07,91.15) 123.19,90.27 v1(123.19,86.55) ; v1(127.49,86.05) v1(131.99,86.05)
/200- PSoM/SPI_MISO: length 88.2
  Top w0.15: J304.2 127.31,56.05 128.19,56.94 128.19,59.89 v1(127.76,60.32) 127.81,60.32 128.59,61.1 128.59,62.4 127.49,63.5 124.69,63.5 123.89,64.3 123.89,70.65 v1(123.74,70.8) ; 112.22,83.37 v1(112.16,83.42) ; 112.22,83.37 112.22,81.08 114.79,78.5 v1(117.69,78.5) ; 112.22,83.37 U401.9 ; v1(126.09,94.61) 125.53,94.05 125.29,94.05 125.26,94.02 J201.7 125.26,92.82 124.14,91.7 v1(119.09,91.7) ; v1(119.26,78.5) 119.26,73.83 TP205.1
  Bottom w0.15: J202.7 134.46,94.02 134.44,94.05 133.19,94.05 132.43,94.81 130.05,94.81 129.84,94.6 126.1,94.6 v1(126.09,94.61) ; v1(117.69,78.5) 120.19,78.5 123.74,74.95 123.74,70.81 v1(123.74,70.8) ; J305.2 127.53,60.55 v1(127.76,60.32) ; v1(112.16,83.42) 112.16,90.28 114.19,92.31 118.49,92.31 v1(119.09,91.7)
/200- PSoM/SPI_MOSI: length 60.5
  Top w0.15: v1(126.35,62.03) 126.19,61.87 126.19,59.09 126.55,58.73 126.55,57.86 v1(126.44,57.75) 126.24,57.55 J304.5 ; v1(122.99,92.4) 124.35,92.4 124.86,92.92 J201.5 124.86,94.12 125.14,94.4 125.34,94.4 125.49,94.55 125.49,94.84 125.83,95.18 126.31,95.18 127.28,94.2 129.51,94.2 130.11,94.81 130.57,94.81 130.68,94.7 133.32,94.7 v1(133.38,94.64) ; v1(121.99,85.2) 121.99,82.12 122.48,81.63 122.48,70.29 122.74,70.03 122.74,63.85 121.99,63.1 121.99,61.84 122.3,61.53 123.27,61.53 v1(123.42,61.68)
  Bottom w0.15: v1(123.42,61.68) 123.57,61.83 126.14,61.83 v1(126.35,62.03) ; v1(121.99,85.2) 121.99,88.95 122.36,89.32 122.36,91.92 122.84,92.4 v1(122.99,92.4) ; J202.5 134.86,94.12 134.58,94.4 133.89,94.4 133.64,94.64 v1(133.38,94.64) ; v1(126.44,57.75) 126.55,57.86 126.55,58.73 126.22,59.05 J305.5
/200- PSoM/SR_CE: length 125.9
  Top w0.15: J201.11 126.06,92.36 124.11,90.4 120.89,90.4 120.55,90.06 120.55,89.6 121.24,88.91 121.24,86.8 ; v1(131.99,85.05) 132.24,85.3 v1(133.82,85.3) ; v1(127.49,85.05) 126.58,85.97 121.91,85.97 121.24,86.63 121.24,86.8 ; 121.24,86.8 121.24,82.09 v1(120.23,81.07) 120.23,79.14 119.82,78.73 119.82,78.27 119.61,78.07 119.61,75.88 TP203.1 ; v1(118.69,24.1) 118.62,24.18 U404.15 ; U402.15 118.62,61.23 v1(118.49,61.1) ; v1(119.29,43.9) 119.09,43.7 118.62,43.7 ; v1(116.49,40.3) 116.49,40.8 118.62,42.93 118.62,43.7 ; U401.15 118.62,80.86 v1(118.59,80.83) ; 118.62,43.7 U403.15
  Bottom w0.15: v1(133.82,85.3) 133.66,85.46 J202.11 ; v1(119.29,43.9) 119.09,43.9 118.99,44 ; 118.49,80.63 118.59,80.72 v1(118.59,80.83) ; 118.49,80.63 117.32,80.63 116.43,79.74 116.43,75.61 118.79,73.25 118.79,70.87 119.37,70.3 119.37,62.88 118.49,62 v1(118.49,61.1) 118.29,60.9 118.29,57.73 118.99,57.03 118.99,44 ; 118.49,80.63 119.79,80.63 v1(120.23,81.07) ; v1(118.69,24.1) 118.99,24.4 118.99,41.05 ; 118.99,44 118.99,41.05 ; 118.99,41.05 118.24,40.3 v1(116.49,40.3) ; v1(131.99,85.05) v1(127.49,85.05)
/200- PSoM/TX: length 24
  Top w0.15: v1(131.38,101.49) 133.59,103.7 v1(136.99,103.7) ; J201.50 133.66,98.72 v1(134.01,99.07)
  Bottom w0.15: v1(136.99,103.7) 136.99,102.05 v1(134.01,99.07) ; J202.50 126.06,97.12 126.42,97.48 127.72,97.48 130.04,99.79 130.04,101.38 130.36,101.7 131.16,101.7 v1(131.38,101.49)
/300- Connectors/CC1: length 2.1
  Top w0.2: J301.A5 126.98,101.92 v1(127.19,101.7)
  Bottom w0.2: R304.1 127.28,101.61 v1(127.19,101.7) 127.51,101.7
/300- Connectors/CC2: length 2.9
  Top w0.2: v1(123.59,100.9) 123.98,101.29 J301.B5
  Bottom w0.2: 123.19,100.82 123.51,100.82 v1(123.59,100.9) 123.48,101.01 R303.1
/400- Shift Register - Switch/1: length 29.3
  Top w0.15: U401.6 116.02,91.08 v1(115.99,91.1)
  Top w0.25: U401.6 116.02,88.26 115.94,88.18 105.25,88.18 v1(104.97,88.46) 103.96,88.46 SW401.1
  Bottom w0.15: RN401.13 117.09,86.6 115.99,87.7 v1(115.99,91.1)
  Bottom w0.25: SW401.1 105.82,88.46 v1(104.97,88.46)
/400- Shift Register - Switch/1-2: length 23.4
  Top w0.15: U402.9 112.33,63.87 v1(112.29,63.9)
  Top w0.2: v1(113.99,81.3) 114.25,81.3 115.37,82.43 U401.10 ; 114.68,63.9 U402.9
  Bottom w0.15: v1(112.29,63.9) 112.34,63.95
  Bottom w0.2: v1(113.99,81.3) 113.94,81.25 113.94,77.85 112.69,76.6 112.69,64.3 v1(112.29,63.9)
/400- Shift Register - Switch/2: length 48.4
  Top w0.15: U401.5 116.67,90.43 v1(116.74,90.5)
  Top w0.25: SW402.1 84.86,90.91 v1(85.82,90.91) 97.99,90.91 101.17,87.73 116.14,87.73 116.67,88.26 U401.5
  Bottom w0.15: RN401.14 117.19,87.1 116.74,87.56 v1(116.74,90.5)
  Bottom w0.25: SW402.1 86.72,90.91 v1(85.82,90.91)
/400- Shift Register - Switch/2-3: length 23.3
  Top w0.15: U402.10 115.37,62.98 115,62.6 v1(113.69,62.6)
  Top w0.2: U403.9 114.66,45.3 v1(112.09,45.3)
  Bottom w0.2: v1(112.09,45.3) 112.09,61 v1(113.69,62.6)
/400- Shift Register - Switch/3: length 69.8
  Top w0.15: v1(117.29,91.1) 117.32,91.08 U401.4
  Top w0.25: U401.4 117.32,88.26 116.34,87.28 100.98,87.28 97.96,90.3 82.22,90.3 78.72,93.8 66.77,93.8 v1(66.77,93.81) 65.76,93.81 SW403.1
  Bottom w0.15: v1(117.29,91.1) 117.29,87.9 117.59,87.6 RN401.15
  Bottom w0.25: SW403.1 67.82,93.81 v1(66.77,93.81)
/400- Shift Register - Switch/3-4: length 25.1
  Top w0.2: U404.9 114.66,25.5 v1(111.79,25.5) ; U403.10 115.37,44.43 114.95,44 v1(113.79,44) 113.87,44.08
  Bottom w0.2: v1(111.79,25.5) 111.79,42 v1(113.79,44)
/400- Shift Register - Switch/4: length 88.1
  Top w0.15: U401.3 117.97,90.58 v1(117.99,90.6)
  Top w0.25: SW404.1 46.76,91.01 v1(47.87,91.01) 49.8,91.01 51.99,93.2 78.68,93.2 82.03,89.85 97.77,89.85 100.8,86.83 116.53,86.83 117.97,88.27 U401.3
  Bottom w0.15: RN401.16 118.41,88.19 117.99,88.6 v1(117.99,90.6)
  Bottom w0.25: SW404.1 48.62,91.01 v1(47.87,91.01)
/400- Shift Register - Switch/5: length 109.8
  Top w0.15: v1(118.06,81.8) 117.97,81.9 U401.14
  Top w0.25: U401.14 117.97,84.47 116.06,86.38 100.61,86.38 97.59,89.4 81.85,89.4 78.5,92.75 52.29,92.75 49.94,90.4 40.39,90.4 36.2,86.21 v1(28.82,86.21) 27.66,86.21 SW405.1
  Bottom w0.15: RN401.9 118.31,84.52 118.06,84.27 v1(118.06,81.8)
  Bottom w0.25: SW405.1 29.72,86.21 v1(28.82,86.21)
/400- Shift Register - Switch/6: length 131.3
  Top w0.15: U401.13 117.32,81.76 117.49,81.59 v1(117.49,81.2)
  Top w0.25: SW406.1 8.56,86.21 v1(9.67,86.21) 10.24,85.63 25.29,85.63 25.92,85 35.63,85 40.58,89.95 50.13,89.95 52.48,92.3 78.31,92.3 81.66,88.95 97.4,88.95 100.42,85.93 115.87,85.93 117.32,84.48 U401.13
  Bottom w0.15: RN401.10 117.69,85.1 117.49,84.9 v1(117.49,81.2)
  Bottom w0.25: v1(9.67,86.21) 10.62,86.21 SW406.1
/400- Shift Register - Switch/7: length 148.5
  Top w0.15: v1(116.77,81.69) 116.67,81.79 U401.12
  Top w0.25: v1(9.74,67.05) 8.69,67.05 SW407.1 6.55,69.5 6.55,82.96 8.77,85.18 24.29,85.18 25.47,84 35.27,84 40.77,89.5 50.54,89.5 52.89,91.85 78.12,91.85 81.47,88.5 97.21,88.5 100.24,85.48 115.54,85.48 116.67,84.35 U401.12
  Bottom w0.15: RN401.11 117.19,85.6 116.79,85.2 116.79,81.71 v1(116.77,81.69)
  Bottom w0.25: SW407.1 10.65,67.05 v1(9.74,67.05)
/400- Shift Register - Switch/8: length 129.3
  Top w0.15: U401.11 116.02,81.23 v1(115.99,81.2)
  Top w0.25: v1(28.74,67.05) 27.74,67.05 SW408.1 25.6,69.5 25.6,83.04 26.08,83.52 35.42,83.52 40.95,89.05 50.84,89.05 53.19,91.4 77.94,91.4 81.29,88.05 97.03,88.05 100.05,85.03 115.34,85.03 116.02,84.35 U401.11
  Bottom w0.15: RN401.12 116.99,86.1 115.99,85.1 v1(115.99,81.2)
  Bottom w0.25: SW408.1 29.7,67.05 v1(28.74,67.05)
/400- Shift Register - Switch/9: length 28.5
  Top w0.25: v1(115.99,71.5) 116.02,71.48 U402.6 116.02,68.76 115.94,68.68 110.52,68.68 109.64,69.56 v1(104.87,69.56) 103.81,69.56 SW409.1
  Bottom w0.25: v1(104.87,69.56) 106.62,69.56 108.17,71.11 ; RN402.13 118.05,67.05 115.99,69.11 v1(115.99,71.5)
/400- Shift Register - Switch/10: length 48.1
  Top w0.25: SW410.1 84.71,72.01 v1(85.72,72.01) 98.09,72.01 101.87,68.23 116.14,68.23 116.67,68.76 U402.5 116.67,70.98 v1(116.69,71)
  Bottom w0.25: v1(85.72,72.01) 86.87,72.01 SW410.1 ; RN402.14 118.18,67.55 116.69,69.05 v1(116.69,71)
